# KiCad board Boston-keyboard-V07J.kicad_pcb (continued)
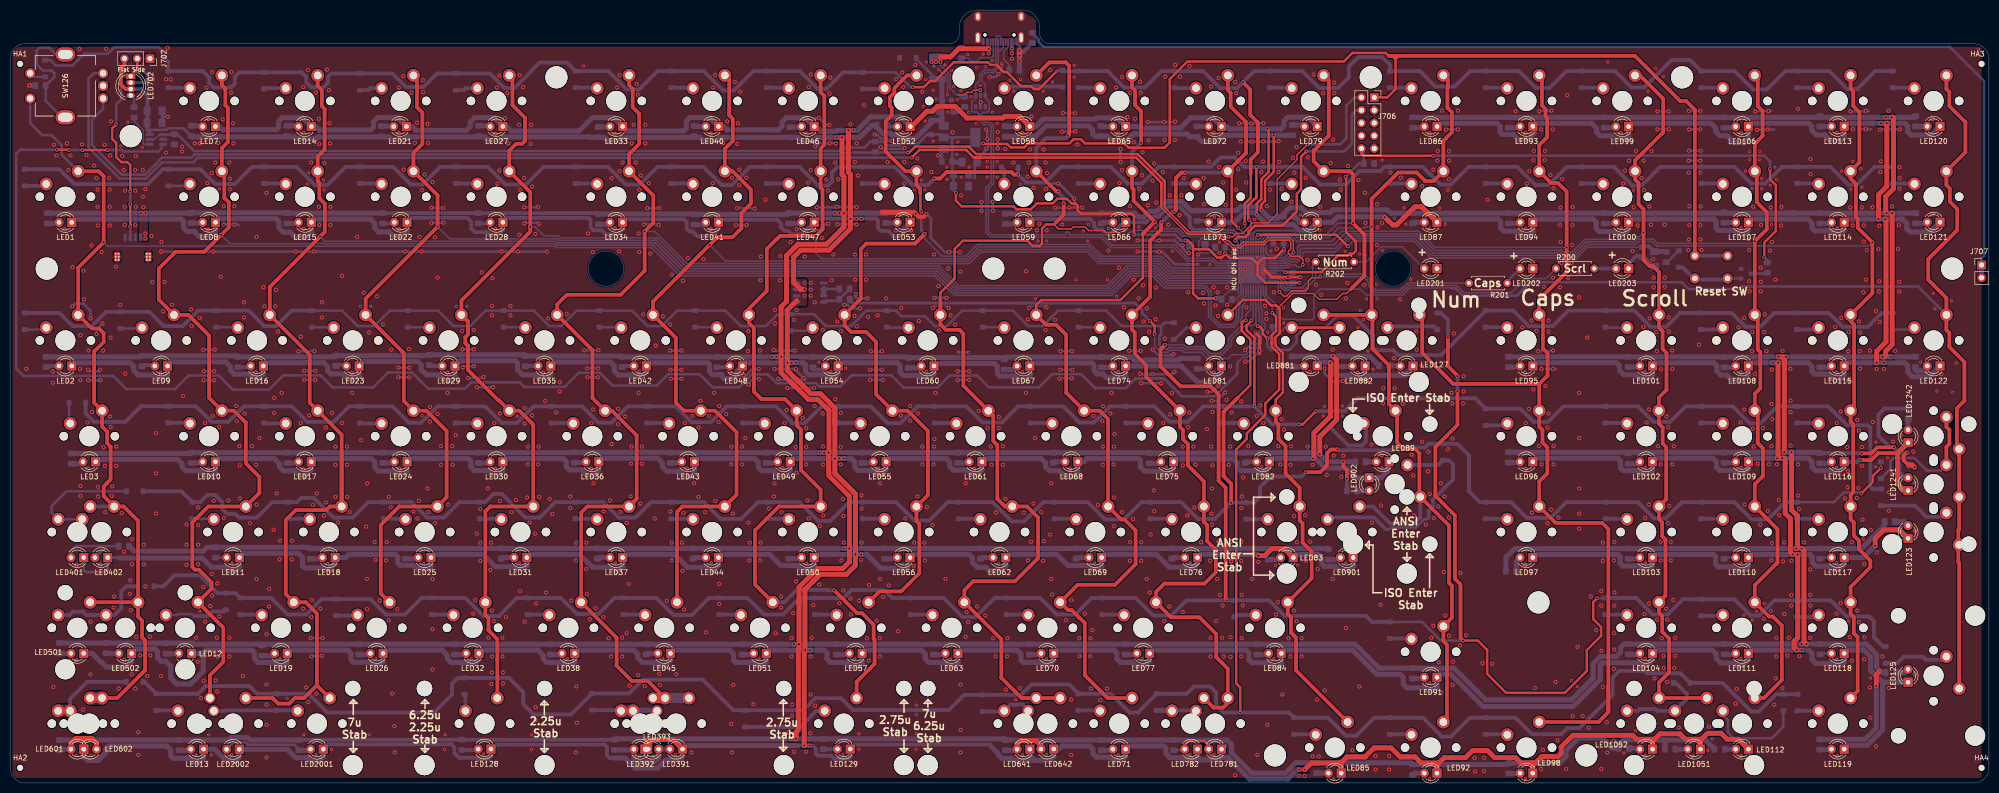
[diagram p0: board, top side]
## Routing (per net, layer and track width the routed paths; a pad name or vN(x,y) marks a point on that pad's centre or on a via; arc(x,y) is an arc through that point) (continued)
  vias: v1(3.23,82.36) v1(8.5,81.83) v1(8.5,79.58) v1(8.6,19.07) v1(8.75,126.88) v1(9.2,124.78) v1(10.85,110.08) v1(11.3,127.17) v1(11.6,121.88) v1(12,124.78) v1(12.4,102.58) v1(13.2,43.32) v1(13.2,24.38) v1(13.8,145.97) v1(13.9,82.33) v1(14,89.08) v1(14,80.08) v1(14,59.08) v1(14,57.08) v1(14.3,126.97) v1(14.5,14.57) v1(14.6,101.88) v1(14.7,96.17) v1(15.2,124.88) v1(15.4,71.67) v1(15.5,82.17) v1(15.5,62.53) v1(15.6,85.97) v1(16,32.07) v1(16,21.57) v1(16.2,106.88) v1(16.3,73.78) v1(16.72,122.77) v1(17.2,120.28) v1(17.4,117.97) v1(17.4,114.58) v1(17.5,110.88) v1(17.5,58.88) v1(17.5,56.97) v1(17.9,82.17) v1(17.9,43.43) v1(18.2,105.58) v1(18.5,85.97) v1(18.6,66.78) v1(18.8,126.88) v1(18.9,63.08) v1(18.9,53.88) v1(19.1,145.97) v1(19.7,120.28) v1(19.8,117.97) v1(19.8,114.58) v1(19.8,110.88) v1(19.9,124.78) v1(19.9,72.88) v1(20,88.58) v1(20,70.78) v1(20.1,131.57) v1(20.2,57.08) v1(20.3,58.97) v1(20.6,34.88) v1(20.7,37.07) v1(21.1,102.67) v1(21.1,66.88) v1(21.1,63.08) v1(21.6,18.78) v1(21.9,95.08) v1(22.2,53.67) v1(22.3,124.67) v1(22.6,121.88) v1(22.6,45.97) v1(22.7,24.47) v1(22.8,114.58) v1(22.8,110.97) v1(22.9,117.78) v1(22.9,81.38) v1(23.8,37.57) v1(23.9,40.28) v1(24,34.38) v1(24.2,43.47) v1(24.2,21.57) v1(24.3,48.47) v1(24.9,121.88) v1(24.9,117.78) v1(24.9,110.97) v1(24.9,18.78) v1(25,124.67) v1(25,114.58) v1(25.1,29.07) v1(25.5,10.07) v1(25.5,5.57) v1(25.78,136.47) v1(25.9,25.38) v1(26.4,121.88) v1(26.4,116.58) v1(26.5,114.47) v1(26.6,47.38) v1(26.6,43.47) v1(26.9,118.08) v1(26.9,39.07) v1(27.3,21.28) v1(27.8,29.07) v1(27.9,25.38) v1(28.1,108.78) v1(28.3,99.58) v1(29,69.58) v1(29,61.58) v1(29,53.58) v1(29.9,81.47) v1(30,21.28) v1(30.1,107.58) v1(30.4,93.78) v1(30.7,99.67) v1(31.03,139.95) v1(31,125.37) v1(31.3,146.18) v1(31.95,139.93) v1(32.2,95.08) v1(34.2,126.58) v1(34.2,125.58) v1(34.4,76.97) v1(35.1,51.38) v1(35.1,47.38) v1(35.1,43.38) v1(36,94.17) v1(36.1,90.88) v1(36.7,127.17) v1(37,28.88) v1(37.3,24.07) v1(37.4,54.78) v1(37.4,51.28) v1(37.4,47.38) v1(37.4,43.47) v1(37.7,127.17) v1(37.7,92.47) v1(38,16.88) v1(38.4,38.97) v1(38.5,20.28) v1(38.8,71.58) v1(38.8,32.07) v1(39.1,138.28) v1(39.2,119.28) v1(39.35,110.03) v1(39.4,62.38) v1(39.45,132.03) v1(39.8,35.18) v1(40.1,121.28) v1(40.1,41.57) v1(40.2,141.38) v1(40.2,37.28) v1(40.3,72.97) v1(40.5,56.08) v1(40.8,123.38) v1(40.9,20.38) v1(41.1,28.88) v1(41.2,39.68) v1(41.2,25.18) v1(41.2,18.18) v1(41.4,127.28) v1(41.6,70.78) v1(41.6,33.07) v1(41.9,100.67) v1(42.3,131.97) v1(42.5,114.67) v1(42.5,52.67) v1(43.4,56.17) v1(43.6,123.38) v1(43.6,28.88) v1(43.6,25.18) v1(43.7,120.17) v1(43.7,118.08) v1(43.9,137.28) v1(44,141.38) v1(44.3,131.18) v1(44.4,127.17) v1(44.6,114.67) v1(45,74.97) v1(45.1,71.97) v1(45.6,66.97) v1(45.7,63.17) v1(45.7,56.58) v1(46.3,21.28) v1(46.5,95.58) v1(46.5,92.58) v1(46.6,73.47) v1(47.7,51.67) v1(48.1,66.97) v1(48.85,81.67) v1(48.9,63.28) v1(49,108.58) v1(49,55.38) v1(49,40.57) v1(49.6,68.58) v1(50.4,98.58) v1(50.6,94.78) v1(51,117.38) v1(51,29.57) v1(51,19.57) v1(51,15.57) v1(51,11.57) v1(51,5.07) v1(51.5,38.57) v1(51.5,35.07) v1(52.4,50.38) v1(52.5,76.58) v1(52.5,73.58) v1(52.7,94.78) v1(52.9,98.08) v1(53,57.58) v1(53.3,89.78) v1(53.6,44.47) v1(53.7,48.17) v1(54,77.58) v1(56,44.47) v1(56.1,48.17) v1(57.8,88.78) v1(57.8,71.58) v1(58.3,138.38) v1(58.3,62.38) v1(58.3,34.68) v1(58.4,129.22) v1(58.4,110.17) v1(58.9,18.97) v1(59.2,141.78) v1(59.3,16.07) v1(59.5,73.08) v1(59.9,123.38) v1(59.9,32.97) v1(60,36.38) v1(60.2,55.28) v1(60.8,137.28) v1(60.9,17.78) v1(61,57.58) v1(61.4,132.07) v1(61.4,114.58) v1(61.5,127.08) v1(61.5,110.97) v1(61.7,34.68) v1(62,95.58) v1(62,92.58) v1(62.4,53.17) v1(62.5,123.28) v1(62.8,70.67) v1(62.8,55.78) v1(63,141.88) v1(63.4,137.78) v1(63.5,131.18) v1(63.6,127.17) v1(63.7,114.58) v1(63.7,110.97) v1(64,73.58) v1(64.7,66.88) v1(64.7,63.28) v1(64.7,56.88) v1(65.2,51.78) v1(66,100.88) v1(66,71.58) v1(67,66.88) v1(67,63.28) v1(67,56.88) v1(67.5,53.88) v1(68,81.53) v1(68,77.58) v1(69,108.58) v1(69.8,68.17) v1(70.3,97.47) v1(70.8,50.97) v1(71,59.58) v1(71,40.57) v1(71,34.57) v1(71.4,89.58) v1(72.5,47.88) v1(72.7,44.38) v1(73,96.78) v1(73.5,36.28) v1(74.1,91.17) v1(74.8,44.28) v1(74.9,47.88) v1(75.3,56.88) v1(75.3,32.38) v1(75.7,54.88) v1(75.8,86.17) v1(76,17.78) v1(76.4,11.28) v1(76.5,6.07) v1(77,34.57) v1(77.3,138.28) v1(77.3,129.18) v1(77.35,110.08) v1(77.4,62.47) v1(78.2,140.57) v1(78.3,121.97) v1(79.3,86.28) v1(79.8,137.28) v1(80.2,53.97) v1(80.5,127.28) v1(80.9,131.28) v1(81,52.58) v1(81.3,56.08) v1(81.42,108.56) v1(81.9,117.88) v1(82.1,139.78) v1(82.1,137.38) v1(82.4,120.97) v1(83,131.07) v1(83,58.58) v1(83.1,127.28) v1(83.2,53.88) v1(83.5,74.78) v1(83.5,71.88) v1(84,119.47) v1(84,40.57) v1(84,30.57) v1(84,22.57) v1(84.48,108.52) v1(84.5,51.67) v1(85,100.47) v1(85,73.38) v1(85.7,66.97) v1(85.7,63.28) v1(86.95,81.58) v1(87,77.58) v1(87.1,55.38) v1(87.9,66.97) v1(88,63.28) v1(88.6,69.17) v1(89.9,89.88) v1(92.1,33.68) v1(92.2,90.08) v1(92.5,36.38) v1(92.8,49.58) v1(93.5,54.47) v1(93.5,47.78) v1(93.5,44.18) v1(93.8,101.58) v1(95,58.58) v1(95.1,28.88) v1(95.5,42.38) v1(95.6,47.78) v1(95.7,19.68) v1(95.8,94.88) v1(95.8,92.97) v1(95.8,34.28) v1(95.8,21.97) v1(95.9,100.38) v1(95.9,25.18) v1(96.2,32.18) v1(96.3,71.58) v1(96.5,129.07) v1(96.5,110.17) v1(96.5,62.47) v1(96.8,138.28) v1(96.9,119.17) v1(97.3,140.68) v1(97.3,121.78) v1(97.4,73.47) v1(97.4,56.08) v1(97.9,28.88) v1(97.9,25.18) v1(98,21.97) v1(98,19.78) v1(98.4,132.18) v1(98.6,32.97) v1(98.9,137.18) v1(99.1,127.17) v1(99.5,94.88) v1(99.5,92.97) v1(99.7,53.88) v1(100.6,56.28) v1(101.2,130.88) v1(101.3,140.78) v1(101.31,109.03) v1(101.4,117.97) v1(101.4,38.18) v1(102,138.38) v1(102.2,120.28) v1(102.3,74.58) v1(102.3,71.47) v1(102.3,32.07) v1(102.8,56.78) v1(103,66.88) v1(103,63.38) v1(103.3,51.78) v1(103.5,127.08) v1(103.6,130.88) v1(103.8,118.58) v1(103.8,73.08) v1(104.4,109.17) v1(104.4,49.58) v1(104.5,15.07) v1(104.5,12.47) v1(104.6,35.68) v1(105,63.38) v1(105.1,66.88) v1(105.2,56.88) v1(106,81.58) v1(106.4,75.97) v1(106.6,37.88) v1(107,92.38) v1(107.3,56.47) v1(107.8,53.47) v1(108.6,73.67) v1(109.3,79.67) v1(109.3,77.88) v1(110.7,93.28) v1(111.4,56.97) v1(111.4,54.67) v1(111.6,36.28) v1(112.54,44.28) v1(112.5,6.07) v1(112.56,47.78) v1(112.6,19.18) v1(112.7,11.97) v1(114.58,47.78) v1(114.56,42.53) v1(114.7,37.57) v1(114.9,109.28) v1(115.3,32.57) v1(115.5,62.47) v1(115.6,71.58) v1(115.9,105.58) v1(115.9,74.28) v1(116,59.58) v1(116.4,34.78) v1(118,53.97) v1(118,32.97) v1(119,28.78) v1(119.3,56.17) v1(119.5,25.18) v1(119.6,120.28) v1(119.6,67.38) v1(120.25,129.03) v1(120.25,110.22) v1(120.7,138.28) v1(120.9,74.38) v1(120.9,71.38) v1(121.1,105.67) v1(121.2,140.78) v1(121.2,121.67) v1(121.4,53.88) v1(121.7,28.88) v1(121.7,25.18) v1(121.8,123.38) v1(122.3,72.88) v1(122.6,51.67) v1(122.6,29.78) v1(123,39.57) v1(123.2,19.38) v1(123.4,56.97) v1(123.5,63.47) v1(123.6,127.17) v1(123.6,66.88) v1(124,130.88) v1(124.4,123.38) v1(124.6,138.97) v1(124.8,136.88) v1(124.9,21.47) v1(125,109.28) v1(125,77.58) v1(125.1,117.97) v1(125.1,105.58) v1(125.3,55.58) v1(125.4,120.78) v1(125.6,66.88) v1(125.6,63.47) v1(125.9,93.17) v1(126.2,19.28) v1(126.3,130.88) v1(126.3,127.17) v1(127,119.28) v1(127.3,105.28) v1(128.2,52.58) v1(128.4,86.97) v1(129.1,21.68) v1(129.2,19.47) v1(129.8,92.78) v1(130.6,36.18) v1(131.27,91.16) v1(131.3,53.97) v1(131.6,101.08) v1(131.6,47.78) v1(131.6,44.28) v1(132.48,21.62) v1(133.6,47.78) v1(133.7,42.18) v1(133.8,99.88) v1(133.9,53.67) v1(134,34.47) v1(134.2,71.58) v1(134.6,62.47) v1(134.8,104.38) v1(135.5,6.07) v1(135.7,72.97) v1(136,59.58) v1(136.9,70.67) v1(136.9,56.88) v1(137.3,75.97) v1(137.9,104.17) v1(138.2,53.88) v1(138.4,29.97) v1(139,72.97) v1(139.3,129.03) v1(139.3,110.08) v1(139.7,119.28) v1(139.8,138.28) v1(140,77.58) v1(140.2,140.78) v1(140.2,56.08) v1(140.9,71.78) v1(141,74.97) v1(141,39.57) v1(141,35.57) v1(141.8,127.28) v1(142.41,73.33) v1(142.6,131.57) v1(143.44,66.86) v1(143.44,63.39) v1(143.4,11.78) v1(143.5,120.38) v1(143.5,6.07) v1(143.7,53.58) v1(143.8,19.47) v1(144.1,139.38) v1(144.6,127.08) v1(144.7,131.18) v1(145,121.97) v1(145,118.88) v1(145.2,137.47) v1(145.5,66.88) v1(145.5,63.38) v1(146.2,68.58) v1(146.4,120.38) v1(146.7,85.88) v1(146.81,89.86) v1(146.8,51.78) v1(147,44.28) v1(147.1,47.78) v1(147.8,15.68) v1(149.1,85.97) v1(149.1,44.28) v1(149.2,99.97) v1(149.2,47.78) v1(149.3,104.67) v1(150.2,115.97) v1(150.9,54.58) v1(151.9,56.97) v1(152,59.58) v1(152.1,94.08) v1(152.1,91.38) v1(152.2,29.78) v1(153.1,99.97) v1(153.2,104.78) v1(153.3,37.07) v1(153.3,34.88) v1(153.4,53.88) v1(153.6,62.58) v1(154,71.58) v1(154.4,74.17) v1(154.8,9.97) v1(155.2,107.58) v1(155.4,28.78) v1(155.4,25.18) v1(155.5,15.57) v1(155.5,13.38) v1(155.7,33.78) v1(155.9,92.08) v1(155.9,6.18) v1(156.24,66.83) v1(156.3,40.07) v1(156.4,110.12) v1(156.4,94.08) v1(156.4,61.67) v1(157.6,72.58) v1(158,104.67) v1(158.35,129.03) v1(158.3,70.58) v1(158.3,66.83) v1(158.3,63.38) v1(158.3,6.18) v1(158.6,56.17) v1(158.7,119.38) v1(158.8,138.38) v1(158.8,52.58) v1(159.1,9.88) v1(159.2,140.88) v1(159.2,121.88) v1(159.2,99.47) v1(159.2,98.12) v1(159.2,96.88) v1(159.2,25.18) v1(159.2,17.57) v1(159.4,28.88) v1(159.7,35.38) v1(160,95.58) v1(160,74.97) v1(160.1,15.38) v1(160.8,132.22) v1(160.9,39.47) v1(161,51.08) v1(161.4,108.38) v1(161.6,90.08) v1(161.6,73.47) v1(161.7,66.88) v1(161.65,63.33) v1(161.7,53.17) v1(162.3,119.97) v1(162.6,117.78) v1(162.9,137.07) v1(163.1,140.28) v1(163.4,99.97) v1(163.7,105.08) v1(164.1,123.38) v1(164.1,76.28) v1(164.5,91.78) v1(164.7,120.08) v1(164.9,35.78) v1(165.2,89.88) v1(165.2,73.58) v1(165.15,66.83) v1(165.15,63.38) v1(165.3,44.28) v1(165.6,56.47) v1(165.7,53.08) v1(165.7,38.28) v1(165.8,47.78) v1(167.1,130.97) v1(167.1,36.68) v1(167.2,33.47) v1(167.9,92.88) v1(168,123.47) v1(168,105.08) v1(168.1,100.08) v1(168.35,127.22) v1(168.4,90.78) v1(168.6,120.78) v1(168.8,36.28) v1(169.2,44.38) v1(169.3,57.17) v1(169.3,54.58) v1(169.3,47.78) v1(169.8,134.78) v1(170.2,105.08) v1(170.2,100.08) v1(170.38,28.75) v1(170.6,92.67) v1(170.8,39.38) v1(170.75,24.35) v1(171.14,85.89) v1(172.3,32.28) v1(172.5,92.97) v1(172.6,62.47) v1(172.93,28.8) v1(172.95,25.2) v1(173,59.58) v1(173,40.57) v1(173.36,85.88) v1(173.6,36.97) v1(174.2,96.38) v1(174.5,123.47) v1(174.7,39.28) v1(176.2,139.97) v1(176.15,109.88) v1(176.6,30.18) v1(177.1,73.08) v1(177.2,94.47) v1(177.4,141.28) v1(177.5,129.28) v1(177.6,138.38) v1(177.8,123.47) v1(177.8,119.17) v1(178,52.58) v1(179,74.97) v1(179,72.08) v1(179.2,109.88) v1(179.7,43.18) v1(179.8,47.78) v1(180,142.82) v1(180.4,124.17) v1(180.4,56.97) v1(180.5,73.47) v1(180.7,91.88) v1(181.4,137.47) v1(181.4,66.88) v1(181.4,63.38) v1(181.8,47.78) v1(181.9,44.28) v1(182.3,54.88) v1(183.2,121.47) v1(183.4,51.28) v1(183.6,63.38) v1(183.7,105.08) v1(183.7,66.88) v1(183.8,68.38) v1(184,77.58) v1(184.6,98.83) v1(184.7,89.97) v1(186,40.57) v1(186.55,102.33) v1(187,92.97) v1(187.4,129.38) v1(187.9,91.17) v1(188.95,101.67) v1(189,19.57) v1(189,10.57) v1(189,6.07) v1(189.1,116.88) v1(190,59.58) v1(190,29.07) v1(190.2,33.97) v1(190.5,31.97) v1(191.7,62.47) v1(192.3,35.07) v1(192.6,73.97) v1(193,135.38) v1(193.9,33.28) v1(194.4,70.58) v1(195,66.88) v1(195.2,63.28) v1(195.47,28.78) v1(196,53.78) v1(195.97,25.2) v1(196.4,129.43) v1(196.6,72.78) v1(196.6,70.58) v1(197.4,66.97) v1(197.4,63.28) v1(197.9,126.08) v1(197.9,56.47) v1(198,18.57) v1(198.22,25.2) v1(198.32,28.78) v1(199.2,144.03) v1(199.5,123.38) v1(200.8,18.88) v1(201.25,129.22) v1(201.3,110.08) v1(201.6,53.78) v1(202,77.58) v1(202.05,101.78) v1(202.3,120.58) v1(202.4,92.17) v1(202.4,44.28) v1(202.6,123.38) v1(202.8,125.97) v1(203,47.97) v1(203.1,132.53) v1(203.5,118.38) v1(203.5,55.58) v1(203.8,68.58) v1(204.2,109.88) v1(204.7,111.17) v1(205,53.88) v1(205.4,44.18) v1(205.5,125.97) v1(205.6,48.08) v1(205.9,123.38) v1(205.9,90.08) v1(206.1,109.88) v1(206.2,121.28) v1(206.8,141.78) v1(206.8,49.38) v1(207,59.58) v1(207,40.57) v1(207.2,37.47) v1(207.8,92.08) v1(209.2,111.08) v1(210,32.38) v1(210.8,62.38) v1(211,36.38) v1(211,16.57) v1(211,5.57) v1(212.2,126.97) v1(212.62,28.75) v1(212.68,25.22) v1(213.7,33.68) v1(214.82,28.75) v1(214.8,25.22) v1(214.9,18.78) v1(215.2,30.38) v1(215.4,72.97) v1(216.3,55.28) v1(216.8,16.47) v1(217.2,71.97) v1(217.3,74.88) v1(217.3,66.88) v1(217.3,63.28) v1(218.1,18.78) v1(218.4,105.88) v1(218.8,73.47) v1(219,77.58) v1(219.4,63.38) v1(219.5,66.88) v1(219.5,56.78) v1(219.5,51.08) v1(219.6,108.08) v1(219.6,69.38) v1(219.9,138.28) v1(220.35,129.12) v1(220.35,81.67) v1(220.5,102.47) v1(220.6,119.28) v1(221.1,140.38) v1(221.1,121.88) v1(221.1,53.88) v1(221.5,94.58) v1(222.15,132.43) v1(222.7,137.28) v1(222.7,114.67) v1(222.7,47.88) v1(222.7,44.18) v1(223.3,52.47) v1(223.45,127.42) v1(223.4,100.08) v1(223.7,132.07) v1(224.4,96.38) v1(224.5,118.17) v1(224.7,139.47) v1(224.8,137.28) v1(224.9,47.88) v1(224.9,44.18) v1(225.1,120.88) v1(225.2,125.42) v1(225.3,98.97) v1(225.4,91.78) v1(226,94.38) v1(226,40.57) v1(226.2,114.88) v1(226.4,127.78) v1(226.5,89.72) v1(226.6,37.88) v1(226.8,49.38) v1(227.2,119.78) v1(227.4,58.17) v1(227.5,123.17) v1(227.5,54.08) v1(227.8,98.5) v1(227.75,92.17) v1(227.91,115.41) v1(229.2,121.47) v1(229.3,71.58) v1(229.45,131.43) v1(229.5,32.18) v1(229.6,127.88) v1(229.6,88.38) v1(229.7,140.47) v1(230.3,111.03) v1(230.5,35.07) v1(230.56,116.83) v1(230.7,73.28) v1(231,77.58) v1(231.6,127.88) v1(231.7,142.78) v1(232.6,140.47) v1(232.55,112.91) v1(232.9,116.88) v1(233.2,66.88) v1(233.2,63.17) v1(233.2,33.97) v1(233.4,120.28) v1(234.1,53.17) v1(234.2,70.78) v1(234.3,97.58) v1(234.5,142.57) v1(234.5,73.67) v1(235.3,66.88) v1(235.5,54.78) v1(235.7,63.28) v1(236.15,105.08) v1(236.8,47.88) v1(237.2,97.47) v1(237.3,120.28) v1(237.4,115.08) v1(237.4,95.38) v1(238,70.38) v1(238.3,123.58) v1(238.6,44.18) v1(238.7,28.88) v1(238.7,25.18) v1(238.8,138.47) v1(238.8,66.88) v1(238.9,53.58) v1(239,58.58) v1(239,51.38) v1(239.1,73.78) v1(239.1,63.17) v1(239.3,98.58) v1(239.3,81.62) v1(239.35,129.22) v1(239.7,94.97) v1(239.8,32.18) v1(240,40.57) v1(240.1,97.58) v1(240.2,92.88) v1(240.3,140.18) v1(240.3,47.97) v1(240.4,122.47) v1(240.5,105.38) v1(240.6,37.38) v1(241,28.88) v1(241.1,35.28) v1(241.2,119.38) v1(241.3,25.18) v1(241.7,114.97) v1(241.9,76.17) v1(242,98.58) v1(242,95.08) v1(242.3,63.28) v1(242.6,82.83) v1(242.6,66.88) v1(242.7,28.97) v1(242.7,25.07) v1(242.8,47.97) v1(242.8,44.07) v1(242.9,73.67) v1(243.6,139.38) v1(243.6,1.53) v1(243.8,137.18) v1(243.8,117.97) v1(244.2,125.28) v1(244.2,122.08) v1(244.7,127.58) v1(244.8,75.88) v1(244.8,54.67) v1(244.8,47.97) v1(244.8,44.18) v1(244.77,25.2) v1(244.9,56.97) v1(244.9,37.38) v1(244.88,28.78) v1(245.1,35.28) v1(245.2,60.78) v1(245.7,123.67) v1(245.8,119.38) v1(245.82,94.56) v1(246.2,66.97) v1(247,40.57) v1(247.9,72.97) v1(248,5.57) v1(248.2,43.97) v1(248.6,75.08) v1(248.8,121.47) v1(249.15,123.58) v1(249.25,127.58) v1(249.2,71.58) v1(249.53,94.92) v1(249.8,93.38) v1(249.8,92.28) v1(249.9,114.67) v1(250,11.57) v1(250.5,117.97) v1(251.3,97.58) v1(251.7,33.47) v1(251.9,106.17) v1(252.1,35.97) v1(252.2,121.47) v1(252.2,66.97) v1(252.35,123.53) v1(252.6,63.38) v1(252.8,118.17) v1(252.8,72.38) v1(253,17.57) v1(253.3,70.28) v1(254.2,28.75) v1(254.6,63.28) v1(254.6,25.18) v1(254.7,66.97) v1(254.8,115.58) v1(255.1,124.28) v1(255.3,53.08) v1(255.3,34.28) v1(255.35,121.38) v1(255.8,126.47) v1(255.8,32.18) v1(255.9,47.88) v1(256.3,1.38) v1(256.8,28.78) v1(256.8,25.2) v1(257.4,1.38) v1(257.5,53.28) v1(257.6,120.38) v1(257.7,44.18) v1(258,103.97) v1(258,66.88) v1(258.05,124.42) v1(258.4,129.28) v1(258.45,81.78) v1(258.5,47.97) v1(259,63.28) v1(259,5.28) v1(259.2,140.88) v1(259.7,99.08) v1(259.9,16.57) v1(260,42.57) v1(260.2,5.28) v1(260.5,114.58) v1(260.7,97.08) v1(261.1,137.18) v1(261.4,18.38) v1(261.5,103.78) v1(261.6,66.88) v1(261.8,61.28) v1(262.6,123.28) v1(263,86.17) v1(263,40.57) v1(263.1,127.92) v1(263.2,65.08) v1(263.3,139.28) v1(263.3,137.18) v1(264.4,119.97) v1(264.6,117.97) v1(264.7,60.88) v1(265.1,65.08) v1(265.4,102.72) v1(265.6,96.38) v1(265.6,30.78) v1(265.9,99.42) v1(266,122.67) v1(266.9,6.47) v1(267.2,2.78) v1(267.95,81.58) v1(268.1,119.88) v1(268.3,19.18) v1(269.3,99.03) v1(269.4,117.38) v1(269.5,111.38) v1(270.7,67.28) v1(270.8,51.78) v1(271.5,5.38) v1(271.5,2.68) v1(271.8,115.08) v1(271.8,106.97) v1(271.9,110.47) v1(272.5,35.47) v1(272.6,55.17) v1(272.7,65.17) v1(272.8,111.38) v1(273,75.47) v1(273.1,78.47) v1(274.2,5.38) v1(274.2,2.68) v1(274.5,121.38) v1(275.15,84.47) v1(275.3,78.47) v1(276.4,96.17) v1(276.5,120.38) v1(276.9,75.38) v1(278.7,65.28) v1(279,61.17) v1(279.2,53.17) v1(279.6,89.78) v1(279.7,86.17) v1(280.7,82.97) v1(280.8,118.67) v1(280.8,67.88) v1(281.5,51.38) v1(281.9,61.97) v1(282,65.88) v1(282.25,129.18) v1(282.3,57.47) v1(282.6,28.88) v1(283,121.97) v1(283,31.28) v1(283.1,52.67) v1(283.6,97.58) v1(283.8,123.78) v1(283.9,125.67) v1(284,54.97) v1(284.07,23.97) v1(284.5,59.58) v1(284.55,18) v1(284.7,133.68) v1(285.1,41.97) v1(285.2,56.97) v1(285.4,33.28) v1(285.9,117.97) v1(285.9,66.38) v1(286.1,125.67) v1(286.1,123.78) v1(286.1,120.08) v1(286.1,52.78) v1(286.1,29.28) v1(286.6,77.58) v1(286.8,75.47) v1(286.8,68.47) v1(286.81,19.47) v1(286.93,24.09) v1(287.1,89.38) v1(287.9,133.68) v1(288.3,27.38) v1(288.4,41.78) v1(288.9,75.47) v1(289,80.88) v1(289,77.88) v1(289.5,29.38) v1(291.2,4.97) v1(291.3,2.28) v1(292.8,23.78) v1(293.1,4.97) v1(293.1,2.38) v1(293.8,115.97) v1(294.7,23.68) v1(299.35,133.57) v1(300.7,90.58) v1(301.25,81.62) v1(301.3,129.22) v1(301.3,43.38) v1(301.4,71.58) v1(301.4,62.47) v1(301.6,119.17) v1(302,74.38) v1(302.1,121.67) v1(302.5,91.97) v1(302.6,53.78) v1(302.9,123.88) v1(302.9,78.28) v1(303,125.67) v1(303.2,18.88) v1(303.5,89.88) v1(304,66.97) v1(304.4,129.97) v1(304.4,2.78) v1(304.5,82.33) v1(304.5,63.38) v1(304.8,6.57) v1(305,98.67) v1(305.1,123.88) v1(305.2,125.67) v1(305.3,78.97) v1(305.7,70.67) v1(305.7,51.67) v1(305.9,91.97) v1(305.9,89.78) v1(305.9,73.47) v1(306.3,120.88) v1(306.4,54.38) v1(306.7,129.97) v1(306.8,100.47) v1(306.8,82.33) v1(306.9,118.28) v1(306.9,66.97) v1(306.9,63.38) v1(307.3,20.07) v1(307.7,8.47) v1(307.9,52.78) v1(308.25,114.42) v1(308.2,110.92) v1(308.2,98.58) v1(308.3,107.58) v1(308.5,103.38) v1(308.6,120.08) v1(309.4,2.78) v1(309.6,136.78) v1(309.8,100.47) v1(310.5,103.38) v1(310.65,110.92) v1(310.6,106.97) v1(310.7,114.53) v1(310.7,13.28) v1(312,101.58) v1(312,96.58) v1(312,77.58) v1(312,68.58) v1(312,58.58) v1(312,53.58) v1(312,50.58) v1(312.7,13.28) v1(313.6,88.58) v1(313.9,10.97) v1(314.3,37.07) v1(315.4,30.38) v1(316.4,38.18) v1(316.4,35.28) v1(316.43,26.3) v1(316.4,2.78) v1(316.7,47.78) v1(316.7,44.18) v1(316.7,19.07) v1(317.5,12.07) v1(317.6,6.07) v1(318.9,44.28) v1(318.9,29.78) v1(318.9,22.68) v1(318.9,8.38) v1(319,47.88) v1(319,37.88) v1(319,35.28) v1(318.98,26.55) v1(320.2,129.22) v1(320.8,119.17) v1(321.1,121.78) v1(321.9,123.78) v1(322.6,105.78) v1(322.85,114.47) v1(323.3,125.67) v1(323.6,110.88) v1(324.4,120.28) v1(324.8,123.78) v1(324.8,90.67) v1(324.9,117.88) v1(325,33.57) v1(325.05,81.62) v1(325.1,52.67) v1(325.15,5.28) v1(325.4,71.67) v1(325.95,114.62) v1(325.9,74.28) v1(325.9,55.38) v1(325.9,35.68) v1(326,92.38) v1(326.25,111.03) v1(326.4,125.67) v1(326.7,104.17) v1(326.8,100.47) v1(326.8,98.58) v1(327,20.78) v1(327.3,89.67) v1(327.45,85.88) v1(327.5,32.47) v1(327.7,66.97) v1(328.2,63.38) v1(328.2,47.97) v1(328.2,44.28) v1(328.3,82.28) v1(328.43,28.78) v1(328.8,25.28) v1(328.8,22.88) v1(329,111.03) v1(329,100.47) v1(329,98.67) v1(329.3,34.68) v1(329.4,72.88) v1(329.5,32.47) v1(329.5,20.07) v1(329.7,70.78) v1(329.7,51.67) v1(329.8,92.58) v1(329.8,89.78) v1(329.9,55.08) v1(330.2,47.88) v1(330.2,44.28) v1(330.5,85.97) v1(330.5,82.33) v1(330.5,63.38) v1(330.71,36.38) v1(330.8,66.97) v1(330.9,22.88) v1(331.1,28.88) v1(331.1,25.28) v1(331.8,10.97) v1(333.7,105.97) v1(333.8,121.38) v1(333.8,108.08) v1(333.9,114.67) v1(333.9,110.92) v1(334.6,5.28) v1(335.8,87.17) v1(336.1,121.38) v1(336.15,114.62) v1(336.1,110.92) v1(336.1,108.08) v1(336.3,105.97) v1(337.8,11.18) v1(343.1,15.78) v1(343.3,18.68) v1(343.7,90.58) v1(344.1,81.62) v1(344.1,71.67) v1(344.15,5.28) v1(344.2,129.18) v1(344.8,92.47) v1(344.8,74.28) v1(344.9,55.38) v1(345.7,108.17) v1(345.8,105.97) v1(345.8,99.78) v1(345.9,97.78) v1(346.4,89.67) v1(346.35,85.88) v1(346.5,70.47) v1(346.6,114.58) v1(346.7,66.88) v1(346.95,81.38) v1(347.4,129.88) v1(347.5,63.47) v1(348,51.38) v1(348.15,110.97) v1(348.1,102.47) v1(348.1,99.67) v1(348.1,97.78) v1(348.5,70.58) v1(348.7,32.68) v1(348.8,89.67) v1(348.9,93.17) v1(349.25,85.88) v1(349.5,129.97) v1(349.5,54.08) v1(349.6,133.62) v1(349.7,63.38) v1(349.9,105.88) v1(350.1,114.42) v1(350.1,34.18) v1(350.25,75.38) v1(350.25,66.97) v1(350.25,44.28) v1(350.3,107.58) v1(350.3,82.22) v1(350.4,72.33) v1(350.35,47.72) v1(350.8,15.57) v1(351,100.08) v1(351.1,20.78) v1(351.2,28.88) v1(351.2,25.18) v1(351.3,63.38) v1(351.7,56.22) v1(351.8,53.22) v1(352.15,110.88) v1(352.2,114.58) v1(352.45,85.92) v1(352.4,18.88) v1(352.55,44.07) v1(352.75,47.83) v1(352.8,33.57) v1(353.4,25.28) v1(353.75,28.88) v1(354,82.38) v1(354.05,76.03) v1(354.05,73.72) v1(354.05,67.08) v1(354.25,44.22) v1(354.2,37.38) v1(354.2,35.28) v1(355.5,134.07) v1(355.5,63.38) v1(355.55,57.12) v1(355.7,54.47) v1(355.8,25.22) v1(356.7,47.83) v1(357.95,42.47) v1(357.95,37.43) v1(357.95,35.28) v1(357.9,28.82) v1(358,124.08) v1(358,121.08) v1(362.9,90.67) v1(363.25,129.22) v1(363.2,81.58) v1(363.2,71.58) v1(363.2,33.68) v1(363.3,5.28) v1(364,73.88) v1(364,35.78) v1(364.1,92.47) v1(364.9,56.58) v1(365.3,66.78) v1(365.4,61.97) v1(365.4,58.78) v1(365.5,85.83) v1(365.5,80.08) v1(365.6,89.67) v1(365.8,28.97) v1(365.9,114.42) v1(366.2,47.88) v1(366.22,24.29) v1(366.4,130.03) v1(366.4,110.88) v1(367.2,56.67) v1(367.3,72.17) v1(367.3,34.28) v1(367.5,58.67) v1(367.6,91.78) v1(367.6,70.08) v1(367.6,31.97) v1(367.8,89.58) v1(367.8,85.88) v1(367.85,82.42) v1(368.2,114.42) v1(368.21,66.78) v1(368.19,63.11) v1(368.35,52.36) v1(368.5,97.58) v1(368.6,110.88) v1(368.6,107.67) v1(368.7,43.57) v1(368.7,28.97) v1(368.68,24.59) v1(369,133.68) v1(369,130.03) v1(369,100.08) v1(369.2,105.97) v1(369.8,85.97) v1(369.8,18.97) v1(369.9,12.97) v1(370,50.28) v1(370.3,114.47) v1(370.4,71.78) v1(371,93.88) v1(371,7.28) v1(371.15,82.33) v1(371.2,45.88) v1(371.5,106.17) v1(371.6,97.72) v1(371.7,110.83) v1(371.7,99.78) v1(371.8,91.67) v1(371.95,123.62) v1(371.85,121.53) v1(372.3,25.18) v1(372.6,82.33) v1(373.5,133.68) v1(373.6,57.78) v1(373.56,54.12) v1(373.6,18.88) v1(374.25,114.62) v1(374.4,67.88) v1(374.85,85.92) v1(375.4,106.17) v1(375.55,110.92) v1(375.65,99.67) v1(375.65,97.72) v1(375.7,122.47) v1(375.7,120.28) v1(375.7,118.17) v1(378.4,65.88) v1(378.8,50.08) v1(378.8,21.57) v1(382.25,132.03) v1(382.25,113.12) v1(384,81.28) v2(13.17,5.4) v2(15.97,5.47) v2(22,126.67) v2(23.4,131.38) v2(26.3,126.38) v2(36.97,5.55) v2(37.7,34.18) v2(39.5,9.57) v2(40,5.57) v2(41.6,118.17) v2(44.05,5.62) v2(44.12,43.72) v2(53.67,24.65) v2(55.1,16.78) v2(58.4,9.57) v2(59.1,119.08) v2(59.4,121.38) v2(60.83,5.68) v2(62.3,119.88) v2(62.4,117.97) v2(63.12,43.65) v2(63.9,6.68) v2(69.7,94.78) v2(71.4,9.57) v2(71.7,94.78) v2(72.7,24.7) v2(81.9,73.08) v2(82.22,43.65) v2(86.4,6.68) v2(86.5,9.57) v2(88.8,94.78) v2(90.8,94.78) v2(91.72,24.65) v2(94.15,5.75) v2(100.8,72.97) v2(101.3,43.75) v2(103.7,9.57) v2(103.7,6.68) v2(110.8,24.75) v2(114,142.57) v2(120.32,43.78) v2(125.1,81.88) v2(125.2,5.28) v2(127.82,5.3) v2(129.8,24.68) v2(132.25,5.62) v2(139.4,43.8) v2(143.2,81.47) v2(148.9,24.68) v2(158.43,43.65) v2(160.85,83.67) v2(163.2,81.8) v2(165.57,5.7) v2(166.15,82.47) v2(167.93,24.65) v2(168.8,9.78) v2(168.8,6.68) v2(177.4,43.47) v2(179.8,117.97) v2(180.1,6.68) v2(180.2,15.47) v2(180.2,13.57) v2(180.2,9.78) v2(181.2,119.88) v2(181.58,134.56) v2(181.9,117.97) v2(181.96,131.62) v2(182.1,139.88) v2(182.2,143.38) v2(182.25,81.83) v2(183.53,137.72) v2(183.54,127.62) v2(183.7,142.57) v2(184.15,136.03) v2(185.9,142.78) v2(186.3,122.47) v2(186.3,120.08) v2(186.45,133.38) v2(186.97,24.62) v2(187.2,141.68) v2(187.6,138.47) v2(188.23,125.05) v2(188.35,135.93) v2(188.46,127.5) v2(189.05,137.62) v2(189.1,120.47) v2(190.4,144.88) v2(190.6,133.32) v2(190.7,122.47) v2(191.1,136.47) v2(192.2,142.28) v2(192.15,131.18) v2(192.9,138.68) v2(193.5,144.97) v2(194,142.47) v2(194.3,123.58) v2(194.3,122.47) v2(194.3,120.47) v2(195.27,143.59) v2(195.35,133.38) v2(196.3,131.18) v2(196.3,123.58) v2(196.3,120.47) v2(196.5,43.57) v2(198.8,139.68) v2(199.6,137.57) v2(200,16.57) v2(200.9,139.88) v2(200.9,119.08) v2(201.3,81.78) v2(201.32,5.57) v2(203.9,96.28) v2(204.4,107.78) v2(205.4,137.57) v2(206.1,107.78) v2(206.05,24.68) v2(206.05,5.68) v2(207.3,139.38) v2(211.6,142.68) v2(211.6,140.38) v2(212,100.08) v2(213.43,109.75) v2(214.3,107.78) v2(214.42,111.05) v2(215.6,43.75) v2(218.2,100.08) v2(218.4,110.25) v2(220,96.78) v2(220.35,5.57) v2(221.57,109.92) v2(224.42,110.58) v2(225.1,24.7) v2(227.76,110.42) v2(229.9,62.85) v2(231.1,105.78) v2(234.3,103.12) v2(234.65,43.75) v2(234.6,5.65) v2(238.6,103.08) v2(239.43,112.53) v2(239.38,5.65) v2(240.5,107.58) v2(243.1,105.58) v2(244.7,102.08) v2(244.7,101.08) v2(245.7,103.17) v2(245.7,102.08) v2(245.7,101.08) v2(246.7,103.17) v2(246.7,102.08) v2(246.7,101.08) v2(247.4,112.08) v2(248,104.58) v2(248.88,62.9) v2(249.1,103.28) v2(250.05,89.62) v2(250.7,105.78) v2(251.27,24.68) v2(251.62,43.28) v2(253.2,94.58) v2(253.3,91.47) v2(256,43.32) v2(256.62,113) v2(260.4,109.95) v2(261.1,72.97) v2(261.4,74.88) v2(263.2,0.82) v2(264.9,74.97) v2(264.9,72.97) v2(265.5,105.67) v2(265.6,43.68) v2(268,90.58) v2(268.3,105.17) v2(268.5,93.97) v2(269.1,92.17) v2(269.7,96.28) v2(269.9,79.97) v2(270,85.88) v2(271,82.28) v2(271.52,59.25) v2(271.7,99.17) v2(271.8,96.38) v2(272.8,123.88) v2(272.77,62.62) v2(272.9,105.88) v2(275.3,112.28) v2(277.2,114.38) v2(277.55,111.12) v2(278.5,100.17) v2(282.15,110.17) v2(282.25,19.82) v2(282.25,0.82) v2(284.25,114.33) v2(285.35,111.12) v2(301.3,0.82) v2(301.35,110.28) v2(310.5,20.38) v2(311.6,19.18) v2(317.7,143.38) v2(320.38,110.4) v2(320.9,5.96) v2(322.8,117.88) v2(323.24,10.35) v2(325.1,62.78) v2(325.15,43.72) v2(325.15,24.78) v2(325.7,137.57) v2(327.2,142.07) v2(328.7,140.47) v2(337.58,6.53) v2(338.48,8.75) v2(344.15,62.7) v2(344.15,43.7) v2(344.18,110.4) v2(344.18,24.75) v2(344.8,33.38) v2(345.1,121.67) v2(345.9,125.58) v2(345.9,123.97) v2(346.4,118.28) v2(346.4,32.38) v2(347.3,34.18) v2(347.8,123.97) v2(347.9,125.58) v2(348.3,120.17) v2(348.3,118.17) v2(348.8,35.68) v2(350,118.88) v2(350.25,111.08) v2(350.9,122.47) v2(351.2,119.97) v2(363.18,62.8) v2(363.2,43.8) v2(363.23,24.65) v2(363.3,110.35) v2(364.2,121.67) v2(365.6,32.18) v2(366,118.08) v2(366.4,123.58) v2(368,122.17) v2(368.2,118.47) v2(368.47,48.47) v2(369.95,20.84) v2(371,67.78) v2(371,62.88) v2(373.3,64.66) v2(374.2,61.52) v2(376.07,69.15) v2(378.62,59.65) v2(379.9,83.67) v2(382.4,97.38) v2(382.7,94.28) v2(383.1,77.92) v2(386,95.88) v2(386.25,77.67) v2(387,83.53) v2(391.4,145.88)
